# Altium PCB Main_Board.PcbDoc (part 10 of 19) (continued)
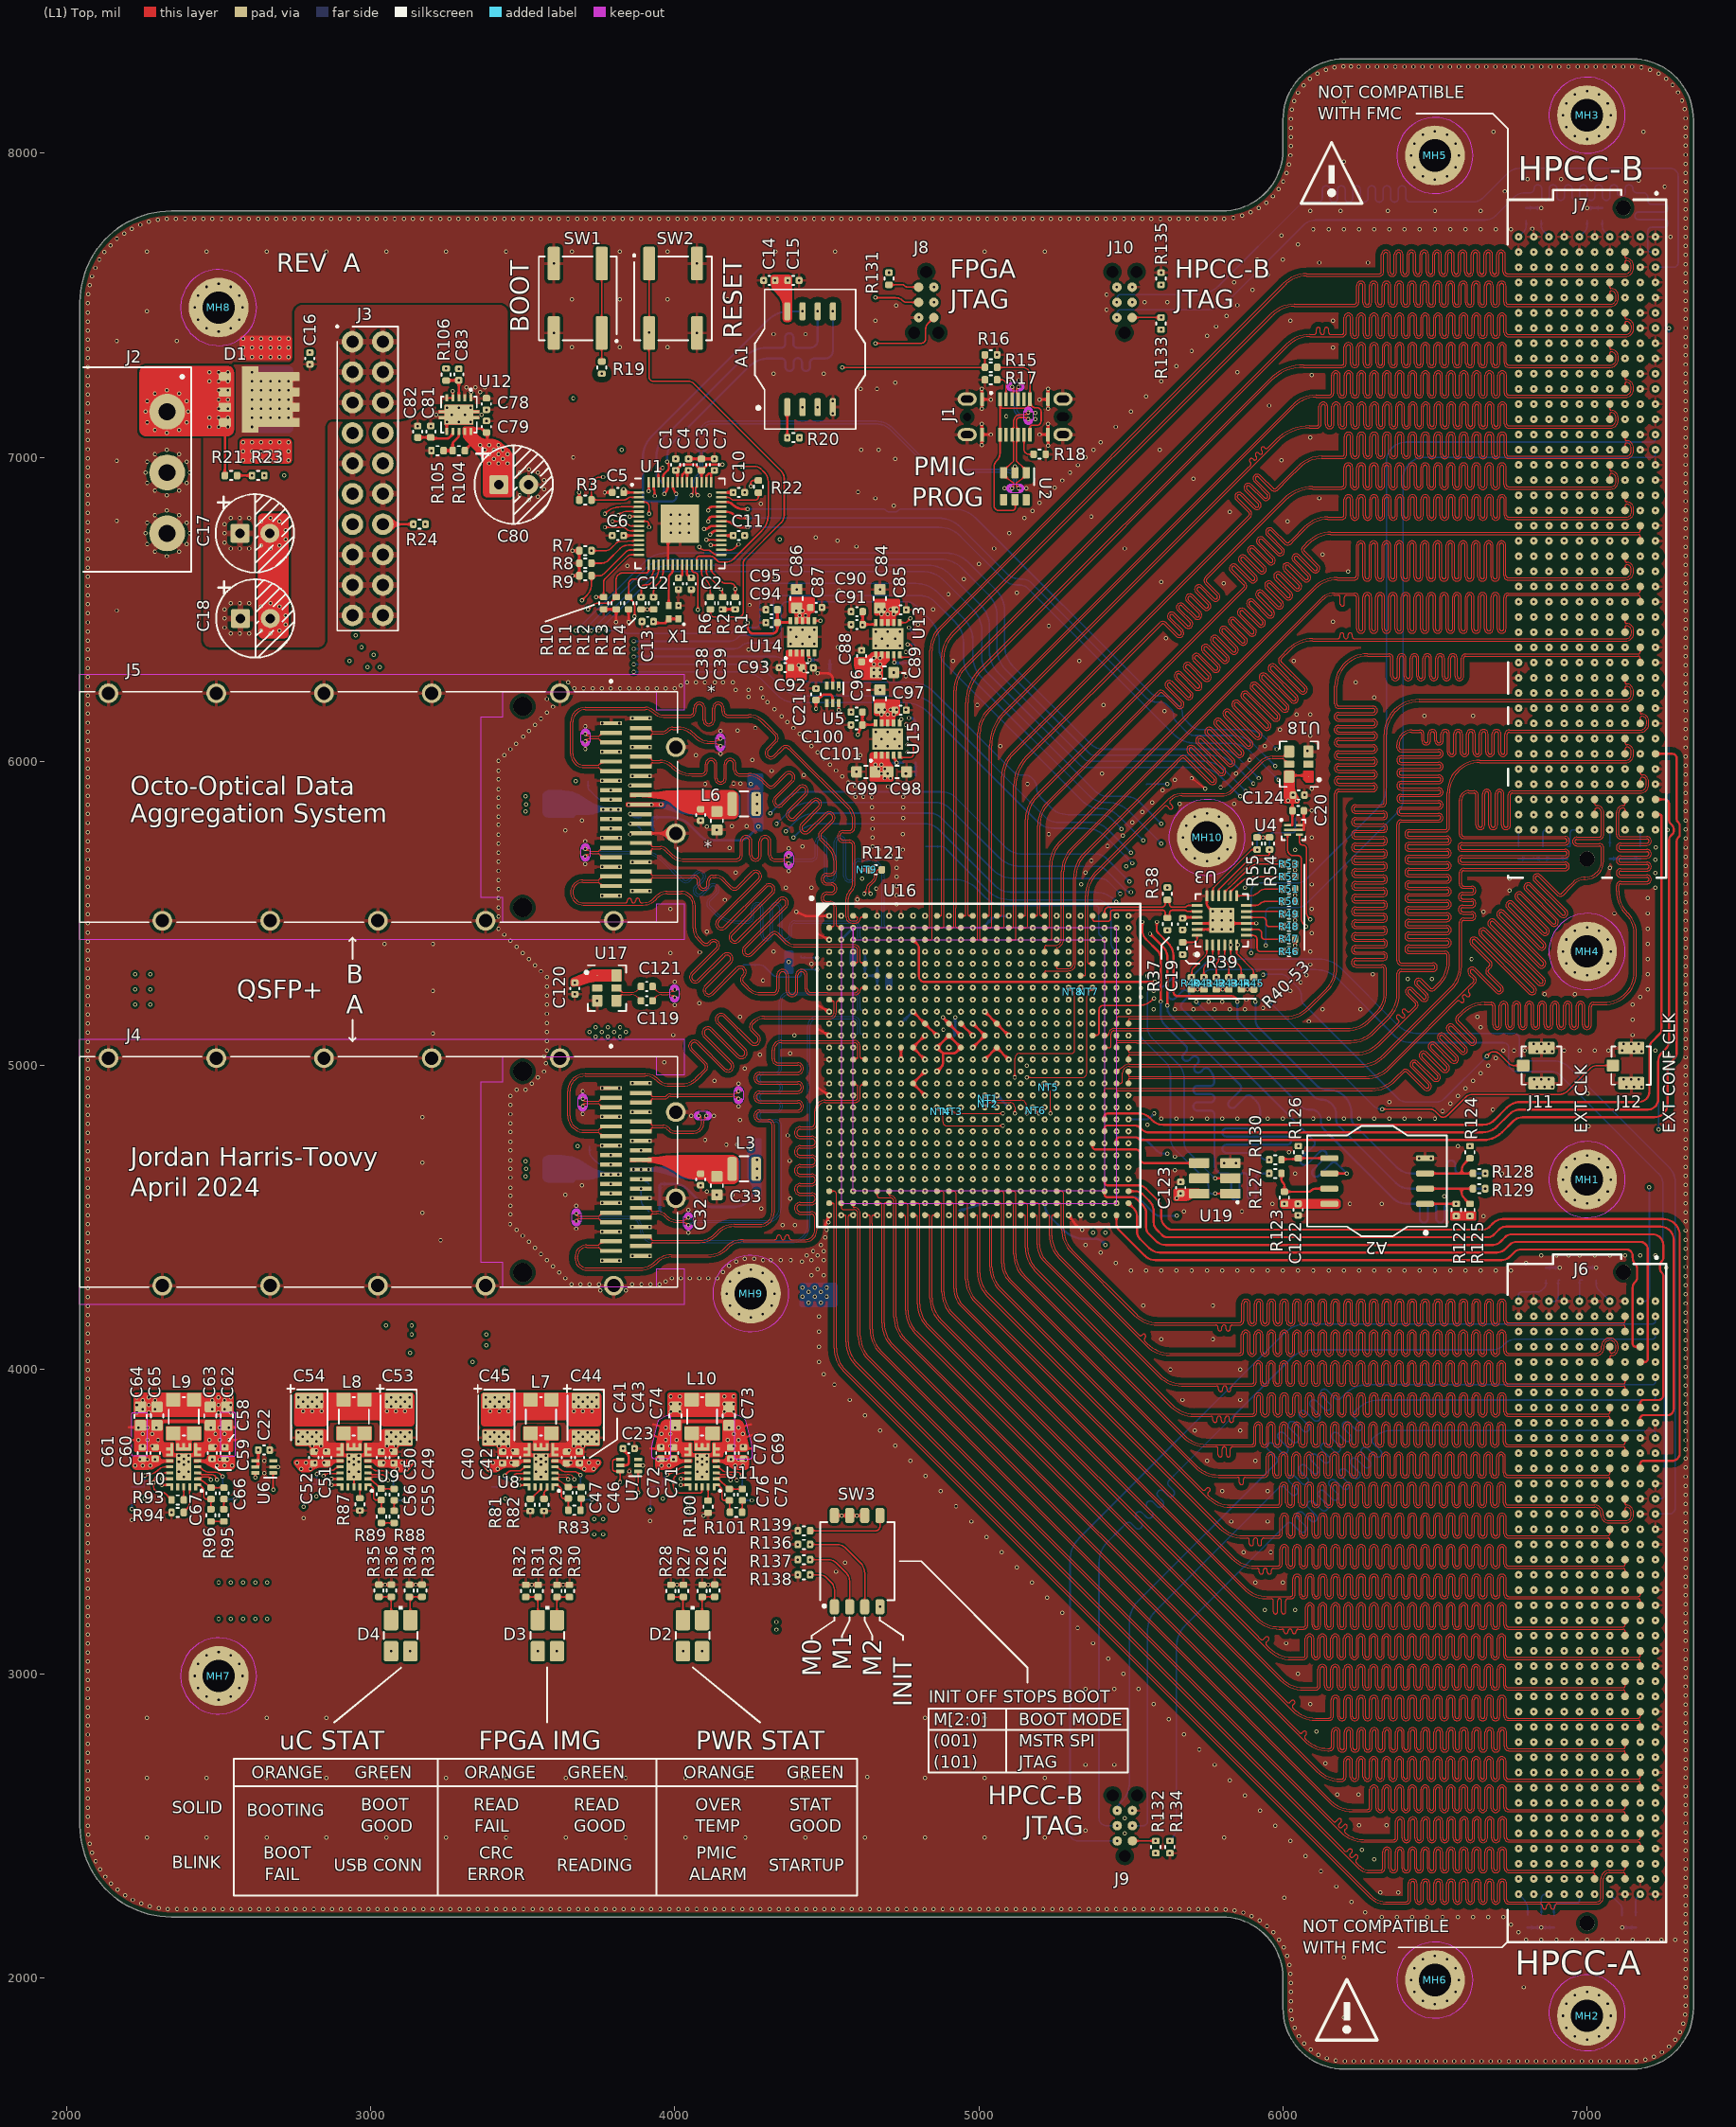
[diagram p0: (L1) Top view]
## Nets (pads, with @x,y where several pads share a name; then routed paths per layer and width w, separated by ;. In a path a pad name is that pad's centre, name@x,y a point inside that pad or via, vN(x,y) a via of type N, cw(c..) or ccw(c..) an arc to the next point about the centre after c; other vN are vias at no path point) (continued)
HPCC_A_RES_1: J6.D1 R62.2 | length 87.3
  (L12) Bottom w5: R62.2@7030,4294.84 7030,4289.53 7030,4281.6 ccw(c7058.13,4281.65) 7038.24,4261.76 7038.28,4261.72 v1(7075,4225)
HPCC_A_RES_2: J6.F1 R65.2 | length 79.9
  (L12) Bottom w5: v1(6975,4225) 6975,4294.92 R65.2@6985,4294.92
HPCC_A_RES_3: J6.H1 R68.2 | length 98.5
  (L12) Bottom w5: v1(6875,4225) 6895,4225 ccw(c6895,4235) 6905,4235 6905,4289.92 cw(c6910,4289.92) R68.2@6910,4294.92
HPCC_A_RES_4: J6.K1 R63.2 | length 142.1
  (L12) Bottom w5: v1(6775,4225) 6775,4245 cw(c6785,4245) 6785,4255 6835,4255 ccw(c6835,4279.14) 6852.07,4262.07 6860,4270 ccw(c6847.93,4282.07) 6865,4282.07 R63.2@6865,4294.92
HPCC_A_RES_5: J6.B40 R66.2 | length 75.4
  (L12) Bottom w5: R66.2@7160,2205.08 7160,2252.93 cw(c7177.07,2252.93) 7165,2265 v1(7175,2275)
HPCC_A_RES_6: J6.D40 R69.2 | length 85.8
  (L12) Bottom w5: v1(7075,2275) 7110,2240 cw(c7097.93,2227.93) 7115,2227.93 R69.2@7115,2205.08
HPCC_A_RES_7: J6.F40 R64.2 | length 143
  (L12) Bottom w5: R64.2@6891.03,2205.08 6891.03,2230.36 ; 6891.03,2230.39 cw(c6904.66,2230.39) 6895,2240 cw(c6907.07,2227.93) 6907.07,2245 6965,2245 ccw(c6965,2255) 6975,2255 v1(6975,2275)
HPCC_A_RES_8: J6.H40 R67.2 | length 88.4
  (L12) Bottom w5: R67.2@6850,2205.16 6850,2260 cw(c6865,2260) 6865,2275 v1(6875,2275)
HPCC_A_RES_9: J6.K40 R70.2 | length 80.2
  (L12) Bottom w5: v1(6775,2275) 6790.86,2259.14 cw(c6756.72,2225) 6805,2225 R70.2@6805,2205.16
HPCC_B_01_N: J7.B21 U16.A19 | length 5300.1
  (L1) Top w3.5: U16.A19@5216.54,5492.13 5204.03,5492.13 cw(c5204.03,5495.63) 5201.55,5493.15 cw(c5204.03,5495.63) 5200.53,5495.63 5200.53,5789.1 cw(c5300.53,5789.1) 5229.81,5859.81 5575.45,6205.45 5594.29,6224.29 cw(c5599.06,6219.52) 5603.85,6224.27 5650.32,6177.81 ccw(c5660.45,6187.89) 5670.53,6177.75 ; 5631.41,6256.25 ccw(c5626.63,6251.49) 5621.86,6256.26 ccw(c5626.63,6251.49) 5621.85,6246.71 5671.67,6196.9 5671.67,6196.76 cw(c5660.45,6187.89) 5670.57,6177.78 ; 5631.43,6256.23 5680.09,6207.57 ccw(c5690.22,6217.66) 5700.3,6207.51 ; 5690.97,6315.77 5739.62,6267.11 ; 5690.95,6315.79 ccw(c5686.17,6311.02) 5681.39,6315.8 ccw(c5686.17,6311.02) 5681.39,6306.25 5731.21,6256.43 5731.21,6256.3 cw(c5719.99,6247.43) 5730.1,6237.32 ; 5700.33,6207.55 ccw(c5690.22,6217.66) 5701.44,6226.53 5701.44,6226.67 5651.62,6276.48 cw(c5656.4,6281.25) 5651.62,6286.03 cw(c5656.4,6281.25) 5661.18,6286.02 5709.85,6237.34 ccw(c5719.99,6247.43) 5730.07,6237.28 ; 5720.72,6345.56 ccw(c5715.94,6340.79) 5711.16,6345.57 ccw(c5715.94,6340.79) 5711.16,6336.02 5760.98,6286.2 5760.98,6286.07 cw(c5749.76,6277.2) 5759.87,6267.09 ; 5720.73,6345.54 5769.39,6296.88 ccw(c5779.53,6306.97) 5789.61,6296.82 ; 5739.63,6267.11 ccw(c5749.76,6277.2) 5759.84,6267.05 ; 5750.5,6375.31 5799.16,6326.65 ccw(c5809.3,6336.74) 5819.38,6326.59 ccw(c5809.3,6336.74) 5820.52,6345.61 5820.52,6345.74 5770.7,6395.56 cw(c5775.47,6400.33) 5770.7,6405.1 cw(c5775.47,6400.33) 5780.26,6405.09 5828.93,6356.42 ccw(c5839.07,6366.51) 5849.15,6356.36 ; 5750.49,6375.33 ccw(c5745.7,6370.56) 5740.93,6375.34 ccw(c5745.7,6370.56) 5740.93,6365.79 5790.75,6315.97 5790.75,6315.84 cw(c5779.53,6306.97) 5789.64,6296.86 ; 5839.81,6464.62 5888.47,6415.96 ccw(c5898.61,6426.04) 5908.68,6415.9 ; 5839.79,6464.63 ccw(c5835.01,6459.87) 5830.24,6464.64 ccw(c5835.01,6459.87) 5830.24,6455.1 5880.05,6405.28 5880.05,6405.14 cw(c5868.84,6396.27) 5878.95,6386.16 ; 5849.18,6356.39 ccw(c5839.07,6366.51) 5850.29,6375.37 5850.29,6375.51 5800.47,6425.33 cw(c5805.24,6430.1) 5800.47,6434.87 cw(c5805.24,6430.1) 5810.03,6434.86 5858.7,6386.19 ccw(c5868.84,6396.27) 5878.92,6386.13 ; 5869.56,6494.4 ccw(c5864.78,6489.64) 5860.01,6494.41 ccw(c5864.78,6489.64) 5860.01,6484.87 5909.82,6435.05 5909.82,6434.91 cw(c5898.61,6426.04) 5908.72,6415.93 ; 5869.58,6494.39 5918.24,6445.73 ; 5918.24,6445.72 ccw(c5928.38,6455.81) 5938.45,6445.67 ; 5929.12,6553.92 5977.78,6505.27 ccw(c5987.91,6515.35) 5997.99,6505.21 ; 5929.1,6553.94 ccw(c5924.32,6549.18) 5919.55,6553.95 ccw(c5924.32,6549.18) 5919.55,6544.4 5969.36,6494.59 5969.36,6494.45 cw(c5958.14,6485.58) 5968.26,6475.47 ; 5938.49,6445.7 ccw(c5928.38,6455.81) 5939.59,6464.68 5939.59,6464.82 5889.78,6514.64 cw(c5894.55,6519.41) 5889.78,6524.18 cw(c5894.55,6519.41) 5899.33,6524.17 5948.01,6475.5 ccw(c5958.14,6485.58) 5968.22,6475.44 ; 5958.87,6583.71 ccw(c5954.09,6578.95) 5949.31,6583.72 ccw(c5954.09,6578.95) 5949.31,6574.17 5999.13,6524.36 5999.13,6524.22 cw(c5987.91,6515.35) 5998.03,6505.24 ; 5958.89,6583.69 6007.55,6535.03 ccw(c6017.68,6545.12) 6027.76,6534.97 ; 5988.66,6613.46 6037.31,6564.8 ccw(c6047.45,6574.89) 6057.53,6564.74 ; 5988.64,6613.48 ccw(c5983.86,6608.71) 5979.08,6613.49 ccw(c5983.86,6608.71) 5979.08,6603.94 6028.9,6554.13 6028.9,6553.99 cw(c6017.68,6545.12) 6027.79,6535.01 ; 6057.56,6564.78 ccw(c6047.45,6574.89) 6058.67,6583.76 6058.67,6583.89 6008.85,6633.71 cw(c6013.63,6638.48) 6008.85,6643.26 cw(c6013.63,6638.48) 6018.41,6643.25 6067.08,6594.57 ccw(c6077.22,6604.66) 6087.3,6594.51 ; 6087.33,6594.55 ccw(c6077.22,6604.66) 6088.44,6613.53 6088.44,6613.66 6038.62,6663.48 cw(c6043.39,6668.25) 6038.62,6673.03 cw(c6043.39,6668.25) 6048.18,6673.02 6096.85,6624.34 ccw(c6106.99,6634.43) 6117.07,6624.28 ; 6117.1,6624.32 ccw(c6106.99,6634.43) 6118.21,6643.3 6118.21,6643.43 6070.59,6691.05 cw(c6075.37,6695.82) 6070.59,6700.59 6074.5,6704.5 6086.71,6716.71 cw(c6157.42,6646) 6157.42,6746 7170,6746 cw(c7170,6741) 7175,6741 J7.B21@7175,6725
HPCC_B_01_P: J7.B20 U16.A18 | length 5312.4
  (L1) Top w3.5: U16.A18@5177.17,5492.13 5189.68,5492.13 ccw(c5189.68,5495.63) 5192.15,5493.15 ccw(c5189.68,5495.63) 5193.18,5495.63 5193.18,5518.55 5192.98,5518.75 5192.98,5789.1 cw(c5300.53,5789.1) 5224.48,5865.15 5570.11,6210.79 5588.95,6229.63 cw(c5599.06,6219.52) 5607.93,6230.73 5608.07,6230.73 5609.16,6229.64 5655.68,6183.12 ccw(c5660.45,6187.89) 5665.23,6183.12 ccw(c5660.45,6187.89) 5665.22,6192.67 ; 5616.48,6261.56 ccw(c5626.63,6251.49) 5616.54,6241.35 5665.2,6192.69 ; 5616.52,6261.6 cw(c5626.63,6251.49) 5635.5,6262.7 5635.63,6262.7 5685.45,6212.89 ccw(c5690.22,6217.66) 5695,6212.89 ccw(c5690.22,6217.66) 5694.99,6222.44 ; 5646.25,6291.33 ccw(c5656.4,6281.25) 5646.31,6271.12 5694.97,6222.46 ; 5646.29,6291.37 cw(c5656.4,6281.25) 5665.27,6292.47 5665.4,6292.47 5715.22,6242.66 ccw(c5719.99,6247.43) 5724.77,6242.66 ccw(c5719.99,6247.43) 5724.76,6252.21 ; 5676.02,6321.1 ccw(c5686.17,6311.02) 5676.08,6300.89 5724.74,6252.23 ; 5676.05,6321.14 cw(c5686.17,6311.02) 5695.04,6322.24 5695.17,6322.24 5744.99,6272.42 ccw(c5749.76,6277.2) 5754.53,6272.43 ccw(c5749.76,6277.2) 5754.52,6281.98 5705.85,6330.66 cw(c5715.94,6340.79) 5705.79,6350.87 ; 5705.82,6350.9 cw(c5715.94,6340.79) 5724.8,6352.01 5724.94,6352.01 5774.76,6302.19 ccw(c5779.53,6306.97) 5784.3,6302.19 ccw(c5779.53,6306.97) 5784.29,6311.75 5735.62,6360.42 ; 5735.56,6380.64 ccw(c5745.7,6370.56) 5735.62,6360.43 ; 5735.59,6380.67 cw(c5745.7,6370.56) 5754.57,6381.78 5754.71,6381.78 5804.53,6331.96 ccw(c5809.3,6336.74) 5814.07,6331.96 ccw(c5809.3,6336.74) 5814.06,6341.52 ; 5765.33,6410.41 ccw(c5775.47,6400.33) 5765.38,6390.2 5814.05,6341.54 ; 5765.36,6410.44 cw(c5775.47,6400.33) 5784.34,6411.55 5784.48,6411.55 5834.3,6361.73 ccw(c5839.07,6366.51) 5843.84,6361.73 ccw(c5839.07,6366.51) 5843.83,6371.29 ; 5795.1,6440.18 ccw(c5805.24,6430.1) 5795.15,6419.97 5843.82,6371.3 ; 5795.13,6440.21 cw(c5805.24,6430.1) 5814.11,6441.32 5814.25,6441.32 5864.07,6391.5 ccw(c5868.84,6396.27) 5873.61,6391.5 ccw(c5868.84,6396.27) 5873.6,6401.06 5824.93,6449.73 ; 5824.87,6469.95 ccw(c5835.01,6459.87) 5824.92,6449.73 ; 5824.9,6469.98 cw(c5835.01,6459.87) 5843.88,6471.09 5844.02,6471.09 5893.83,6421.27 ccw(c5898.61,6426.04) 5903.38,6421.27 ccw(c5898.61,6426.04) 5903.37,6430.83 5854.7,6479.5 cw(c5864.78,6489.64) 5854.64,6499.72 ; 5854.67,6499.75 cw(c5864.78,6489.64) 5873.65,6500.86 5873.79,6500.86 5923.6,6451.04 ccw(c5928.38,6455.81) 5933.15,6451.04 ccw(c5928.38,6455.81) 5933.14,6460.6 ; 5884.4,6529.48 ccw(c5894.55,6519.41) 5884.46,6509.27 5933.12,6460.61 ; 5884.44,6529.52 cw(c5894.55,6519.41) 5903.42,6530.62 5903.56,6530.62 5953.37,6480.81 ccw(c5958.14,6485.58) 5962.92,6480.81 ccw(c5958.14,6485.58) 5962.91,6490.36 ; 5914.17,6559.25 ccw(c5924.32,6549.18) 5914.23,6539.04 5962.89,6490.38 ; 5914.21,6559.29 cw(c5924.32,6549.18) 5933.19,6560.39 5933.32,6560.39 5983.14,6510.58 ccw(c5987.91,6515.35) 5992.69,6510.58 ccw(c5987.91,6515.35) 5992.68,6520.13 ; 5943.94,6589.02 ccw(c5954.09,6578.95) 5944,6568.81 5992.66,6520.15 ; 5943.98,6589.06 cw(c5954.09,6578.95) 5962.96,6590.16 5963.09,6590.16 6012.91,6540.35 ccw(c6017.68,6545.12) 6022.46,6540.35 ccw(c6017.68,6545.12) 6022.45,6549.9 5973.77,6598.58 cw(c5983.86,6608.71) 5973.71,6618.79 ; 5973.75,6618.83 cw(c5983.86,6608.71) 5992.73,6619.93 5992.86,6619.93 6042.68,6570.11 ccw(c6047.45,6574.89) 6052.22,6570.12 ccw(c6047.45,6574.89) 6052.21,6579.67 ; 6003.48,6648.56 ccw(c6013.63,6638.48) 6003.54,6628.35 6052.2,6579.69 ; 6003.51,6648.6 cw(c6013.63,6638.48) 6022.49,6649.7 6022.63,6649.7 6072.45,6599.88 ccw(c6077.22,6604.66) 6081.99,6599.88 ccw(c6077.22,6604.66) 6081.98,6609.44 ; 6033.25,6678.33 ccw(c6043.39,6668.25) 6033.31,6658.12 6081.97,6609.46 ; 6033.28,6678.36 cw(c6043.39,6668.25) 6052.26,6679.47 6052.4,6679.47 6102.22,6629.65 ccw(c6106.99,6634.43) 6111.76,6629.65 ccw(c6106.99,6634.43) 6111.75,6639.21 ; 6111.74,6639.23 6065.25,6685.71 cw(c6075.37,6695.82) 6065.25,6705.93 6069.16,6709.84 6081.37,6722.05 cw(c6157.42,6646) 6157.42,6753.55 7170,6753.55 ccw(c7170,6758.55) 7175,6758.55 J7.B20@7175,6775
HPCC_B_02_N: J7.B25 U16.D20 | length 5445
  (L1) Top w3.5: U16.D20@5255.91,5374.02 5255.91,5384.41 cw(c5259.9,5384.41) 5257.9,5387.87 5261.5,5389.31 ccw(c5253.24,5411.99) 5270.31,5394.91 5271.49,5396.09 ccw(c5252.51,5415.07) 5279.35,5415.07 5279.35,5637.93 cw(c5379.35,5637.93) 5308.64,5708.64 6129.61,6529.61 cw(c6169.14,6490.13) 6166.73,6545.95 cw(c6169.14,6490.13) 6168.48,6546 6169.14,6546 6181.98,6546 cw(c6181.98,6539.25) 6188.73,6539.25 6188.73,6517.72 ccw(c6195.48,6517.72) 6202.23,6517.72 6202.23,6539.25 cw(c6208.98,6539.25) 6208.98,6546 6218.46,6546 6235.27,6546 cw(c6235.27,6539.25) 6242.02,6539.25 6242.02,6435.87 ccw(c6256.32,6435.87) 6270.62,6435.87 6270.62,6540.82 cw(c6277.37,6540.82) 6284.12,6540.82 6284.12,6435.87 ccw(c6298.42,6435.87) 6312.72,6435.87 6312.72,6540.82 cw(c6319.47,6540.82) 6326.22,6540.82 6326.22,6435.87 ccw(c6340.52,6435.87) 6354.82,6435.87 6354.82,6540.82 cw(c6361.57,6540.82) 6368.32,6540.82 6368.32,6435.87 ccw(c6382.62,6435.87) 6396.92,6435.87 6396.92,6540.82 cw(c6403.67,6540.82) 6410.42,6540.82 6410.42,6435.87 ccw(c6424.72,6435.87) 6439.02,6435.87 6439.02,6540.82 cw(c6445.77,6540.82) 6452.52,6540.82 6452.52,6435.87 ccw(c6466.82,6435.87) 6481.12,6435.87 6481.12,6540.82 cw(c6487.87,6540.82) 6494.62,6540.82 6494.62,6435.87 ccw(c6508.92,6435.87) 6523.22,6435.87 6523.22,6540.82 cw(c6529.97,6540.82) 6536.72,6540.82 6536.72,6435.87 ccw(c6551.02,6435.87) 6565.32,6435.87 6565.32,6540.82 cw(c6572.07,6540.82) 6578.82,6540.82 6578.82,6435.87 ccw(c6593.12,6435.87) 6607.42,6435.87 6607.42,6540.82 cw(c6614.17,6540.82) 6620.92,6540.82 6620.92,6435.87 ccw(c6635.22,6435.87) 6649.52,6435.87 6649.52,6540.82 cw(c6656.27,6540.82) 6663.02,6540.82 6663.02,6435.87 ccw(c6677.32,6435.87) 6691.62,6435.87 6691.62,6540.82 cw(c6698.37,6540.82) 6705.12,6540.82 6705.12,6435.87 ccw(c6719.42,6435.87) 6733.72,6435.87 6733.72,6539.25 cw(c6740.47,6539.25) 6740.47,6546 6746,6546 7169,6546 cw(c7169,6540) 7175,6540 J7.B25@7175,6525
HPCC_B_02_P: J7.B24 U16.D19 | length 5432.6
  (L1) Top w3.5: U16.D19@5216.54,5374.02 5216.54,5389.54 cw(c5222.2,5389.54) 5222.2,5395.2 5251.64,5395.2 ccw(c5251.64,5415.86) 5266.25,5401.25 ccw(c5252.37,5415.13) 5272,5415.13 5272,5518.55 5271.8,5518.75 5271.8,5637.93 cw(c5379.35,5637.93) 5303.3,5713.98 6124.28,6534.95 cw(c6169.14,6490.13) 6169.14,6553.55 ; 6169.19,6553.55 6218.46,6553.55 6235.27,6553.55 cw(c6235.27,6539.25) 6249.57,6539.25 6249.57,6435.87 ccw(c6256.32,6435.87) 6263.07,6435.87 6263.07,6540.82 cw(c6277.37,6540.82) 6291.67,6540.82 6291.67,6435.87 ccw(c6298.42,6435.87) 6305.17,6435.87 6305.17,6540.82 cw(c6319.47,6540.82) 6333.77,6540.82 6333.77,6435.87 ccw(c6340.52,6435.87) 6347.27,6435.87 6347.27,6540.82 cw(c6361.57,6540.82) 6375.87,6540.82 6375.87,6435.87 ccw(c6382.62,6435.87) 6389.37,6435.87 6389.37,6540.82 cw(c6403.67,6540.82) 6417.97,6540.82 6417.97,6435.87 ccw(c6424.72,6435.87) 6431.47,6435.87 6431.47,6540.82 cw(c6445.77,6540.82) 6460.07,6540.82 6460.07,6435.87 ccw(c6466.82,6435.87) 6473.57,6435.87 6473.57,6540.82 cw(c6487.87,6540.82) 6502.17,6540.82 6502.17,6435.87 ccw(c6508.92,6435.87) 6515.67,6435.87 6515.67,6540.82 cw(c6529.97,6540.82) 6544.27,6540.82 6544.27,6435.87 ccw(c6551.02,6435.87) 6557.77,6435.87 6557.77,6540.82 cw(c6572.07,6540.82) 6586.37,6540.82 6586.37,6435.87 ccw(c6593.12,6435.87) 6599.87,6435.87 6599.87,6540.82 cw(c6614.17,6540.82) 6628.47,6540.82 6628.47,6435.87 ccw(c6635.22,6435.87) 6641.97,6435.87 6641.97,6540.82 cw(c6656.27,6540.82) 6670.57,6540.82 6670.57,6435.87 ccw(c6677.32,6435.87) 6684.07,6435.87 6684.07,6540.82 cw(c6698.37,6540.82) 6712.67,6540.82 6712.67,6435.87 ccw(c6719.42,6435.87) 6726.17,6435.87 6726.17,6539.25 cw(c6740.47,6539.25) 6740.47,6553.55 6746,6553.55 7169,6553.55 ccw(c7169,6559.55) 7175,6559.55 J7.B24@7175,6575
HPCC_B_03_N: J7.B29 U16.K26 | length 5402
  (L1) Top w3.5: U16.K26@5492.13,5137.8 cw(c5495.5,5138.73) 5492,5138.7 5492,5150.15 cw(c5495.5,5150.15) 5495.5,5153.65 6009.78,5153.65 ccw(c6009.78,5261.2) 6085.83,5185.15 6146.05,5245.37 ccw(c6070,5321.42) 6177.55,5321.42 6177.55,5867.81 6177.55,5893.78 cw(c6184.3,5893.78) 6184.3,5900.53 6296.39,5900.53 ccw(c6296.39,5914.83) 6296.39,5929.13 6182.67,5929.13 cw(c6182.67,5935.88) 6182.67,5942.63 6296.39,5942.63 ccw(c6296.39,5956.93) 6296.39,5971.23 6182.67,5971.23 cw(c6182.67,5977.98) 6182.67,5984.73 6296.39,5984.73 ccw(c6296.39,5999.03) 6296.39,6013.33 6182.67,6013.33 cw(c6182.67,6020.08) 6182.67,6026.83 6296.39,6026.83 ccw(c6296.39,6041.13) 6296.39,6055.43 6182.67,6055.43 cw(c6182.67,6062.18) 6182.67,6068.93 6296.39,6068.93 ccw(c6296.39,6083.23) 6296.39,6097.53 6182.67,6097.53 cw(c6182.67,6104.28) 6182.67,6111.03 6296.39,6111.03 ccw(c6296.39,6125.33) 6296.39,6139.63 6182.67,6139.63 cw(c6182.67,6146.38) 6182.67,6153.13 6296.39,6153.13 ccw(c6296.39,6167.43) 6296.39,6181.73 6184.3,6181.73 cw(c6184.3,6188.48) 6177.55,6188.48 6177.55,6194 6177.55,6246 cw(c6277.55,6246) 6277.55,6346 6332,6346 6348.51,6346 cw(c6348.51,6339.25) 6355.26,6339.25 6355.26,6279.87 ccw(c6369.56,6279.87) 6383.86,6279.87 6383.86,6339.7 cw(c6390.61,6339.7) 6397.36,6339.7 6397.36,6279.87 ccw(c6411.66,6279.87) 6425.96,6279.87 6425.96,6339.7 cw(c6432.71,6339.7) 6439.46,6339.7 6439.46,6279.87 ccw(c6453.76,6279.87) 6468.06,6279.87 6468.06,6339.7 cw(c6474.81,6339.7) 6481.56,6339.7 6481.56,6279.87 ccw(c6495.86,6279.87) 6510.16,6279.87 6510.16,6339.7 cw(c6516.91,6339.7) 6523.66,6339.7 6523.66,6279.87 ccw(c6537.96,6279.87) 6552.26,6279.87 6552.26,6339.7 cw(c6559.01,6339.7) 6565.76,6339.7 6565.76,6279.87 ccw(c6580.06,6279.87) 6594.36,6279.87 6594.36,6339.25 cw(c6601.11,6339.25) 6601.11,6346 6606.63,6346 7169,6346 cw(c7169,6340) 7175,6340 J7.B29@7175,6325
HPCC_B_03_P: J7.B28 U16.K25 | length 5447.1
  (L1) Top w3.5: U16.K25@5452.76,5137.8 5452.76,5152.76 cw(c5461,5152.76) 5461,5161 5518.3,5161 5518.5,5161.2 6009.78,5161.2 ccw(c6009.78,5261.2) 6080.49,5190.49 6140.71,5250.71 ccw(c6070,5321.42) 6170,5321.42 6170,5867.81 6170,5893.78 cw(c6184.3,5893.78) 6184.3,5908.08 6296.39,5908.08 ccw(c6296.39,5914.83) 6296.39,5921.58 6182.67,5921.58 cw(c6182.67,5935.88) 6182.67,5950.18 6296.39,5950.18 ccw(c6296.39,5956.93) 6296.39,5963.68 6182.67,5963.68 cw(c6182.67,5977.98) 6182.67,5992.28 6296.39,5992.28 ccw(c6296.39,5999.03) 6296.39,6005.78 6182.67,6005.78 cw(c6182.67,6020.08) 6182.67,6034.38 6296.39,6034.38 ccw(c6296.39,6041.13) 6296.39,6047.88 6182.67,6047.88 cw(c6182.67,6062.18) 6182.67,6076.48 6296.39,6076.48 ccw(c6296.39,6083.23) 6296.39,6089.98 6182.67,6089.98 cw(c6182.67,6104.28) 6182.67,6118.58 6296.39,6118.58 ccw(c6296.39,6125.33) 6296.39,6132.08 6182.67,6132.08 cw(c6182.67,6146.38) 6182.67,6160.68 6296.39,6160.68 ccw(c6296.39,6167.43) 6296.39,6174.18 6184.3,6174.18 cw(c6184.3,6188.48) 6170,6188.48 6170,6194 6170,6246 cw(c6277.55,6246) 6277.55,6353.55 6332,6353.55 6348.51,6353.55 cw(c6348.51,6339.25) 6362.81,6339.25 6362.81,6279.87 ccw(c6369.56,6279.87) 6376.31,6279.87 6376.31,6339.7 cw(c6390.61,6339.7) 6404.91,6339.7 6404.91,6279.87 ccw(c6411.66,6279.87) 6418.41,6279.87 6418.41,6339.7 cw(c6432.71,6339.7) 6447.01,6339.7 6447.01,6279.87 ccw(c6453.76,6279.87) 6460.51,6279.87 6460.51,6339.7 cw(c6474.81,6339.7) 6489.11,6339.7 6489.11,6279.87 ccw(c6495.86,6279.87) 6502.61,6279.87 6502.61,6339.7 cw(c6516.91,6339.7) 6531.21,6339.7 6531.21,6279.87 ccw(c6537.96,6279.87) 6544.71,6279.87 6544.71,6339.7 cw(c6559.01,6339.7) 6573.31,6339.7 6573.31,6279.87 ccw(c6580.06,6279.87) 6586.81,6279.87 6586.81,6339.25 cw(c6601.11,6339.25) 6601.11,6353.55 6606.63,6353.55 7169,6353.55 ccw(c7169,6359.55) 7175,6359.55 J7.B28@7175,6375
HPCC_B_04_N: J7.B33 U16.L25 | length 5470.7
  (L1) Top w3.5: U16.L25@5452.76,5098.43 5452.76,5085.92 ccw(c5456.26,5085.92) 5453.78,5083.44 ccw(c5456.26,5085.92) 5456.26,5082.42 6223.69,5082.42 ccw(c6223.69,5182.42) 6294.4,5111.7 6345.53,5162.83 ccw(c6274.81,5233.54) 6374.81,5233.54 6374.81,5282.5 6374.81,5302.32 cw(c6389.11,5302.32) 6389.11,5316.62 6493.31,5316.62 ccw(c6493.31,5323.37) 6493.31,5330.12 6389.11,5330.12 cw(c6389.11,5344.42) 6374.81,5344.42 6374.81,5349.94 6374.81,5770.87 6374.81,5793.6 cw(c6389.11,5793.6) 6389.11,5807.9 6512.31,5807.9 ccw(c6512.31,5814.65) 6512.31,5821.4 6388.92,5821.4 cw(c6388.92,5835.7) 6388.92,5850 6512.31,5850 ccw(c6512.31,5856.75) 6512.31,5863.5 6388.92,5863.5 cw(c6388.92,5877.8) 6388.92,5892.1 6512.31,5892.1 ccw(c6512.31,5898.85) 6512.31,5905.6 6388.92,5905.6 cw(c6388.92,5919.9) 6388.92,5934.2 6512.31,5934.2 ccw(c6512.31,5940.95) 6512.31,5947.7 6388.92,5947.7 cw(c6388.92,5962) 6388.92,5976.3 6512.31,5976.3 ccw(c6512.31,5983.05) 6512.31,5989.8 6388.92,5989.8 cw(c6388.92,6004.1) 6388.92,6018.4 6512.31,6018.4 ccw(c6512.31,6025.15) 6512.31,6031.9 6389.11,6031.9 cw(c6389.11,6046.2) 6374.81,6046.2 6374.81,6050.45 6374.81,6051.73 6374.81,6054.47 cw(c6423.9,6054.47) 6423.9,6103.55 6424.59,6103.55 6449.77,6103.55 cw(c6449.77,6089.25) 6464.07,6089.25 6464.07,6068.3 ccw(c6470.82,6068.3) 6477.57,6068.3 6477.57,6090.67 cw(c6491.87,6090.67) 6506.17,6090.67 6506.17,6068.3 ccw(c6512.92,6068.3) 6519.67,6068.3 6519.67,6090.67 cw(c6533.97,6090.67) 6548.27,6090.67 6548.27,6030.33 ccw(c6555.02,6030.33) 6561.77,6030.33 6561.77,6090.67 cw(c6576.07,6090.67) 6590.37,6090.67 6590.37,6030.33 ccw(c6597.12,6030.33) 6603.87,6030.33 6603.87,6090.67 cw(c6618.17,6090.67) 6632.47,6090.67 6632.47,6030.33 ccw(c6639.22,6030.33) 6645.97,6030.33 6645.97,6090.67 cw(c6660.27,6090.67) 6674.57,6090.67 6674.57,6030.33 ccw(c6681.32,6030.33) 6688.07,6030.33 6688.07,6090.67 cw(c6702.37,6090.67) 6716.67,6090.67 6716.67,6030.33 ccw(c6723.42,6030.33) 6730.17,6030.33 6730.17,6089.25 cw(c6744.47,6089.25) 6744.47,6103.55 6750,6103.55 7175.55,6103.55 ccw(c7175.55,6124) 7196,6124 7196,6132 ccw(c7180,6132) 7180,6148 ccw(c7180,6143) 7175,6143 J7.B33@7175,6125
HPCC_B_04_P: J7.B32 U16.M25 | length 5491.1
  (L1) Top w3.5: U16.M25@5452.76,5059.06 5452.76,5071.57 cw(c5456.26,5071.57) 5453.78,5074.04 cw(c5456.26,5071.56) 5456.26,5075.07 5518.55,5075.07 5518.75,5074.87 6223.69,5074.87 ccw(c6223.69,5182.42) 6299.74,5106.37 6350.86,5157.49 ccw(c6274.81,5233.54) 6382.36,5233.54 6382.36,5282.5 6382.36,5302.32 cw(c6389.11,5302.32) 6389.11,5309.07 6493.31,5309.07 ccw(c6493.31,5323.37) 6493.31,5337.67 6389.11,5337.67 cw(c6389.11,5344.42) 6382.36,5344.42 6382.36,5349.94 6382.36,5770.87 6382.36,5793.6 cw(c6389.11,5793.6) 6389.11,5800.35 6512.31,5800.35 ccw(c6512.31,5814.65) 6512.31,5828.95 6388.92,5828.95 cw(c6388.92,5835.7) 6388.92,5842.45 6512.31,5842.45 ccw(c6512.31,5856.75) 6512.31,5871.05 6388.92,5871.05 cw(c6388.92,5877.8) 6388.92,5884.55 6512.31,5884.55 ccw(c6512.31,5898.85) 6512.31,5913.15 6388.92,5913.15 cw(c6388.92,5919.9) 6388.92,5926.65 6512.31,5926.65 ccw(c6512.31,5940.95) 6512.31,5955.25 6388.92,5955.25 cw(c6388.92,5962) 6388.92,5968.75 6512.31,5968.75 ccw(c6512.31,5983.05) 6512.31,5997.35 6388.92,5997.35 cw(c6388.92,6004.1) 6388.92,6010.85 6512.31,6010.85 ccw(c6512.31,6025.15) 6512.31,6039.45 6389.11,6039.45 cw(c6389.11,6046.2) 6382.36,6046.2 6382.36,6051.73 6382.36,6053.58 6382.36,6053.7 cw(c6423.61,6054.74) 6423.61,6096 6424.59,6096 6449.77,6096 cw(c6449.77,6089.25) 6456.52,6089.25 6456.52,6068.3 ccw(c6470.82,6068.3) 6485.12,6068.3 6485.12,6090.67 cw(c6491.87,6090.67) 6498.62,6090.67 6498.62,6068.3 ccw(c6512.92,6068.3) 6527.22,6068.3 6527.22,6090.67 cw(c6533.97,6090.67) 6540.72,6090.67 6540.72,6030.33 ccw(c6555.02,6030.33) 6569.32,6030.33 6569.32,6090.67 cw(c6576.07,6090.67) 6582.82,6090.67 6582.82,6030.33 ccw(c6597.12,6030.33) 6611.42,6030.33 6611.42,6090.67 cw(c6618.17,6090.67) 6624.92,6090.67 6624.92,6030.33 ccw(c6639.22,6030.33) 6653.52,6030.33 6653.52,6090.67 cw(c6660.27,6090.67) 6667.02,6090.67 6667.02,6030.33 ccw(c6681.32,6030.33) 6695.62,6030.33 6695.62,6090.67 cw(c6702.37,6090.67) 6709.12,6090.67 6709.12,6030.33 ccw(c6723.42,6030.33) 6737.72,6030.33 6737.72,6089.25 cw(c6744.47,6089.25) 6744.47,6096 6750,6096 7175.55,6096 ccw(c7175.55,6124) 7203.55,6124 7203.55,6132 ccw(c7180,6132) 7180,6155.55 cw(c7180,6160.55) 7175,6160.55 J7.B32@7175,6175
HPCC_B_05_N: J7.B37 U16.P25 | length 5554.6
  (L1) Top w3.5: U16.P25@5452.76,4980.31 5477.1,4998.25 cw(c5494.99,4972.7) 5494.99,5003.89 6257.47,5003.89 ccw(c6257.47,5103.89) 6328.18,5033.18 6550.71,5255.71 ccw(c6480,5326.42) 6580,5326.42 6580,5451.98 6580,5470.5 cw(c6594.3,5470.5) 6594.3,5484.8 6620.79,5484.8 ccw(c6620.79,5491.55) 6620.79,5498.3 6591.08,5498.3 cw(c6591.08,5512.6) 6591.08,5526.9 6620.79,5526.9 ccw(c6620.79,5533.65) 6620.79,5540.4 6591.08,5540.4 cw(c6591.08,5554.7) 6591.08,5569 6620.79,5569 ccw(c6620.79,5575.75) 6620.79,5582.5 6594.3,5582.5 cw(c6594.3,5596.8) 6580,5596.8 6580,5602.32 6580,5634.01 cw(c6594.3,5634.01) 6594.3,5648.31 6927.61,5648.31 ccw(c6927.61,5655.06) 6927.61,5661.81 6589.24,5661.81 cw(c6589.24,5676.11) 6589.24,5690.41 6927.61,5690.41 ccw(c6927.61,5697.16) 6927.61,5703.91 6589.24,5703.91 cw(c6589.24,5718.21) 6589.24,5732.51 6927.61,5732.51 ccw(c6927.61,5739.26) 6927.61,5746.01 6594.3,5746.01 cw(c6594.3,5760.31) 6580,5760.31 6580,5765.84 6580,5796 cw(c6587.55,5796) 6580.04,5796.78 cw(c6587.55,5796) 6580.07,5797 ccw(c6576.6,5797.48) 6580.1,5797.48 6580.1,5872.46 cw(c6611.26,5872.39) 6611.26,5903.55 6628.2,5903.55 cw(c6628.2,5889.25) 6642.5,5889.25 6642.5,5789.94 ccw(c6649.25,5789.94) 6656,5789.94 6656,5893.7 cw(c6670.3,5893.7) 6684.6,5893.7 6684.6,5789.94 ccw(c6691.35,5789.94) 6698.1,5789.94 6698.1,5893.7 cw(c6712.4,5893.7) 6726.7,5893.7 6726.7,5789.94 ccw(c6733.45,5789.94) 6740.2,5789.94 6740.2,5889.25 cw(c6754.5,5889.25) 6754.5,5903.55 6760.02,5903.55 7175.55,5903.55 ccw(c7175.55,5923) 7195,5923 7195,5935 ccw(c7182,5935) 7182,5948 ccw(c7182,5941) 7175,5941 J7.B37@7175,5925
HPCC_B_05_P: J7.B36 U16.R25 | length 5610.5
  (L1) Top w3.5: U16.R25@5452.76,4940.94 5463.94,4940.94 ccw(c5463.94,4949.71) 5472.71,4949.71 5472.71,4976.59 cw(c5490.94,4976.59) 5478.05,4989.48 cw(c5495.1,4972.44) 5495.1,4996.54 5518.55,4996.54 5518.75,4996.34 6257.47,4996.34 ccw(c6257.47,5103.89) 6333.52,5027.84 6556.05,5250.37 ccw(c6480,5326.42) 6587.55,5326.42 6587.55,5451.98 6587.55,5470.5 cw(c6594.3,5470.5) 6594.3,5477.25 6620.79,5477.25 ccw(c6620.79,5491.55) 6620.79,5505.85 6591.08,5505.85 cw(c6591.08,5512.6) 6591.08,5519.35 6620.79,5519.35 ccw(c6620.79,5533.65) 6620.79,5547.95 6591.08,5547.95 cw(c6591.08,5554.7) 6591.08,5561.45 6620.79,5561.45 ccw(c6620.79,5575.75) 6620.79,5590.05 6594.3,5590.05 cw(c6594.3,5596.8) 6587.55,5596.8 6587.55,5602.32 6587.55,5634.01 cw(c6594.3,5634.01) 6594.3,5640.76 6927.61,5640.76 ccw(c6927.61,5655.06) 6927.61,5669.36 6589.24,5669.36 cw(c6589.24,5676.11) 6589.24,5682.86 6927.61,5682.86 ccw(c6927.61,5697.16) 6927.61,5711.46 6589.24,5711.46 cw(c6589.24,5718.21) 6589.24,5724.96 6927.61,5724.96 ccw(c6927.61,5739.26) 6927.61,5753.56 6594.3,5753.56 cw(c6594.3,5760.31) 6587.55,5760.31 6587.55,5765.84 6587.55,5796 ccw(c6576.6,5797.48) 6587.65,5797.48 6587.65,5872.39 cw(c6611.26,5872.39) 6611.26,5896 6628.2,5896 cw(c6628.2,5889.25) 6634.95,5889.25 6634.95,5789.94 ccw(c6649.25,5789.94) 6663.55,5789.94 6663.55,5893.7 cw(c6670.3,5893.7) 6677.05,5893.7 6677.05,5789.94 ccw(c6691.35,5789.94) 6705.65,5789.94 6705.65,5893.7 cw(c6712.4,5893.7) 6719.15,5893.7 6719.15,5789.94 ccw(c6733.45,5789.94) 6747.75,5789.94 6747.75,5889.25 cw(c6754.5,5889.25) 6754.5,5896 6760.02,5896 7175.55,5896 ccw(c7175.55,5923) 7202.55,5923 7202.55,5935 ccw(c7182,5935) 7182,5955.55 cw(c7182,5962.55) 7175,5962.55 J7.B36@7175,5975
HPCC_B_06_N: J7.C3 U16.B9 | length 5224.2
  (L1) Top w3.5: U16.B9@4822.83,5452.76 4835.5,5452.76 ccw(c4835.5,5456.26) 4839,5456.26 4839,6365.13 cw(c4946.55,6365.13) 4870.5,6441.18 6001.37,7572.05 cw(c6077.42,7496) 6077.42,7603.55 6311.77,7603.55 6317.29,7603.55 ccw(c6317.29,7610.3) 6324.04,7610.3 6324.04,7666.93 cw(c6338.34,7666.93) 6352.64,7666.93 6352.64,7609.22 ccw(c6359.39,7609.22) 6366.14,7609.22 6366.14,7666.93 cw(c6380.44,7666.93) 6394.74,7666.93 6394.74,7609.22 ccw(c6401.49,7609.22) 6408.24,7609.22 6408.24,7666.93 cw(c6422.54,7666.93) 6436.84,7666.93 6436.84,7609.22 ccw(c6443.59,7609.22) 6450.34,7609.22 6450.34,7666.93 cw(c6464.64,7666.93) 6478.94,7666.93 6478.94,7609.22 ccw(c6485.69,7609.22) 6492.44,7609.22 6492.44,7666.93 cw(c6506.74,7666.93) 6521.04,7666.93 6521.04,7609.22 ccw(c6527.79,7609.22) 6534.54,7609.22 6534.54,7666.93 cw(c6548.84,7666.93) 6563.14,7666.93 6563.14,7609.22 ccw(c6569.89,7609.22) 6576.64,7609.22 6576.64,7666.93 cw(c6590.94,7666.93) 6605.24,7666.93 6605.24,7609.22 ccw(c6611.99,7609.22) 6618.74,7609.22 6618.74,7666.93 cw(c6633.04,7666.93) 6647.34,7666.93 6647.34,7609.22 ccw(c6654.09,7609.22) 6660.84,7609.22 6660.84,7666.93 cw(c6675.14,7666.93) 6689.44,7666.93 6689.44,7609.22 ccw(c6696.19,7609.22) 6702.94,7609.22 6702.94,7666.93 cw(c6717.24,7666.93) 6731.54,7666.93 6731.54,7610.3 ccw(c6738.29,7610.3) 6738.29,7603.55 6771.94,7603.55 7126.55,7603.55 ccw(c7126.55,7622) 7145,7622 7145,7631 ccw(c7129,7631) 7129,7647 ccw(c7129,7643) 7125,7643 J7.C3@7125,7625